# Altium PCB PCB1.PcbDoc (part 3 of 4) (continued)
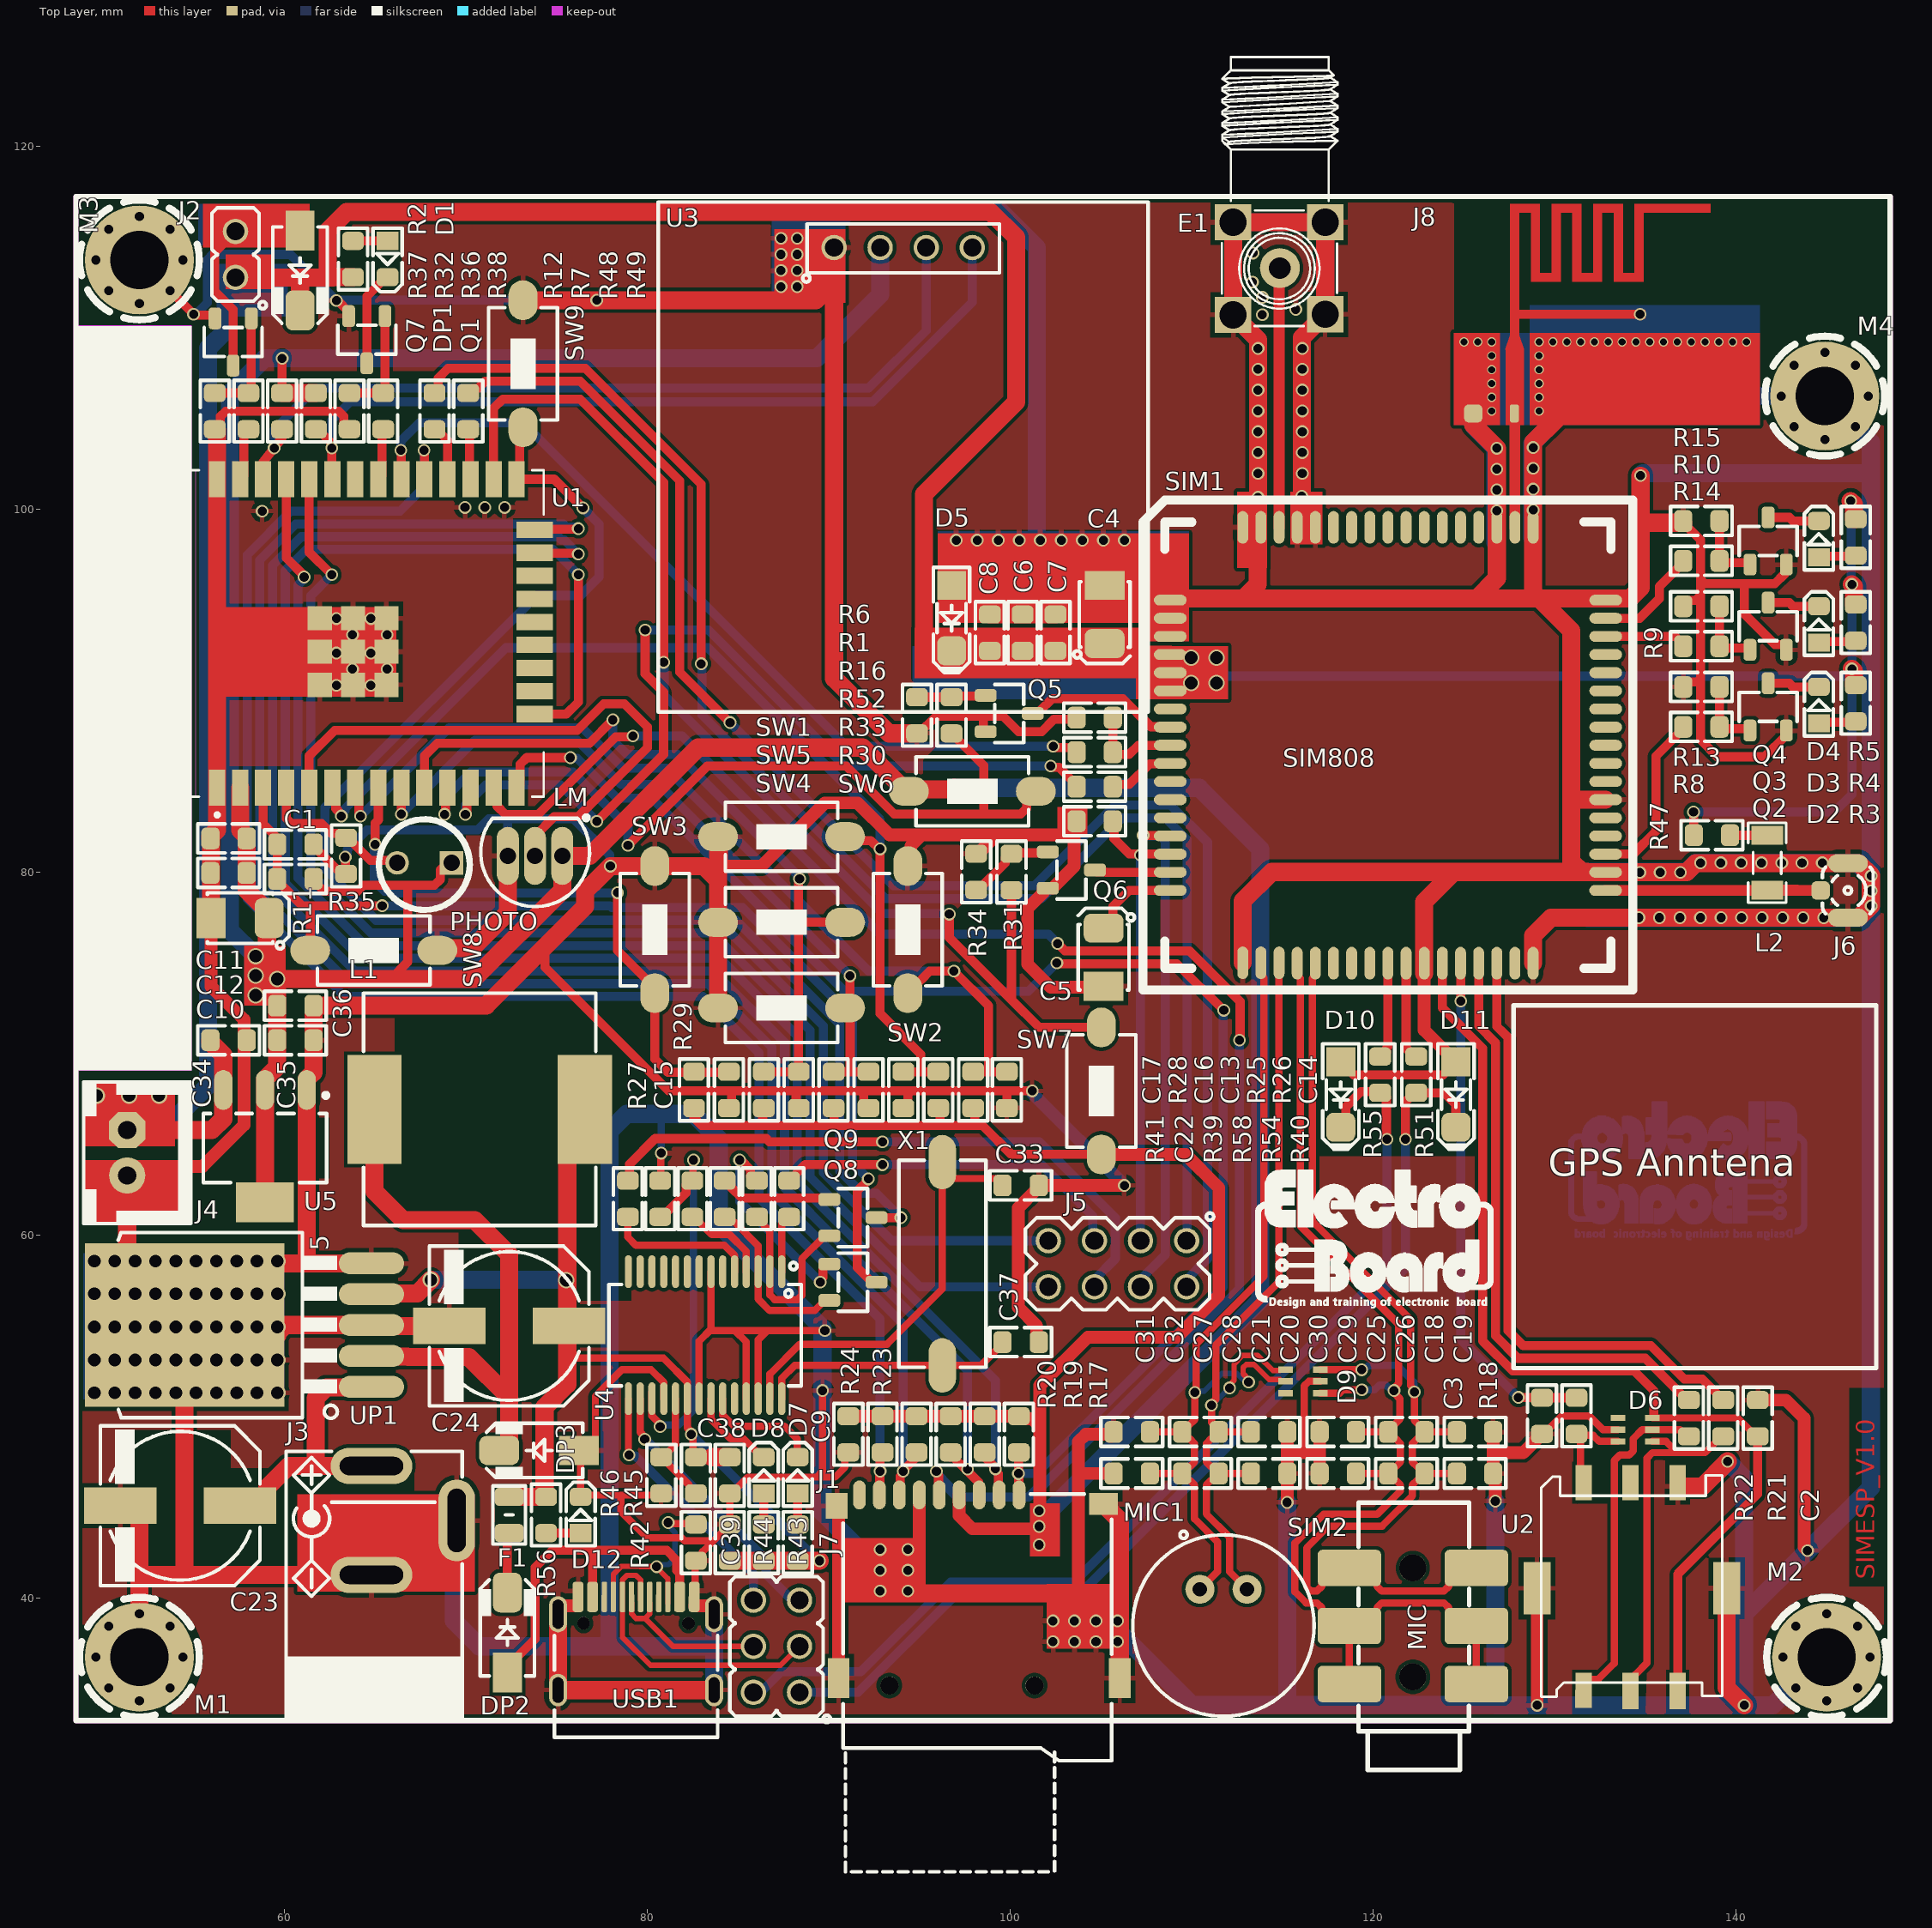
[diagram p0: Top Layer view]
## Nets (pads, with @x,y where several pads share a name; then routed paths per layer and width w, separated by ;. In a path a pad name is that pad's centre, name@x,y a point inside that pad or via, vN(x,y) a via of type N, cw(c..) or ccw(c..) an arc to the next point about the centre after c; other vN are vias at no path point) (continued)
134.925,65.786 ; 133.731,65.811 134.925,65.811 ; 133.731,65.837 134.925,65.837 ; 133.731,65.862 134.899,65.862 ; 133.731,65.888 134.899,65.888 ; 133.731,65.913 134.899,65.913 ; 133.731,65.938 134.899,65.938 ; 133.731,65.964 134.874,65.964 ; 133.731,65.989 134.874,65.989 ; 133.731,66.015 134.849,66.015 ; 133.731,66.04 134.849,66.04 ; 133.731,66.065 134.849,66.065 ; 133.731,66.091 134.823,66.091 ; 133.731,66.116 134.823,66.116 ; 133.731,66.142 134.798,66.142 ; 133.731,66.167 134.772,66.167 ; 133.731,66.192 134.772,66.192 ; 133.731,66.218 134.747,66.218 ; 133.731,66.243 134.722,66.243 ; 133.731,66.269 134.696,66.269 ; 133.731,66.294 134.696,66.294 ; 133.731,66.319 134.671,66.319 ; 133.731,66.345 134.645,66.345 ; 133.731,66.37 134.62,66.37 ; 133.731,66.396 134.569,66.396 ; 133.731,66.421 134.544,66.421 ; 133.731,66.446 134.518,66.446 ; 133.731,66.472 134.468,66.472 ; 133.731,66.497 134.417,66.497 ; 133.731,66.523 134.341,66.523 ; 133.756,61.951 134.62,61.951 ; 133.756,62.814 133.858,62.814 ; 133.782,59.893 133.883,59.893 ; 133.782,59.919 133.883,59.919 ; 133.782,59.944 133.883,59.944 ; 133.782,59.969 133.883,59.969 ; 133.782,59.995 133.883,59.995 ; 133.782,60.02 133.883,60.02 ; 133.782,60.046 133.883,60.046 ; 133.782,60.071 133.883,60.071 ; 133.782,60.096 133.883,60.096 ; 133.782,60.122 133.883,60.122 ; 133.782,60.147 134.061,60.147 ; 133.782,66.548 134.264,66.548 ; 133.807,60.173 134.061,60.173 ; 133.807,61.925 134.62,61.925 ; 133.833,60.198 133.909,60.198 ; 133.833,61.874 134.62,61.874 ; 133.833,61.9 134.62,61.9 ; 133.858,61.798 134.62,61.798 ; 133.858,61.824 134.62,61.824 ; 133.858,61.849 134.62,61.849 ; 133.883,60.681 134.62,60.681 ; 133.883,60.706 134.62,60.706 ; 133.883,60.731 134.62,60.731 ; 133.883,60.757 134.62,60.757 ; 133.883,60.782 134.62,60.782 ; 133.883,60.808 134.62,60.808 ; 133.883,60.833 134.62,60.833 ; 133.883,60.858 134.62,60.858 ; 133.883,60.884 134.62,60.884 ; 133.883,60.909 134.62,60.909 ; 133.883,60.935 134.62,60.935 ; 133.883,60.96 134.62,60.96 ; 133.883,60.985 134.62,60.985 ; 133.883,61.011 134.62,61.011 ; 133.883,61.036 134.62,61.036 ; 133.883,61.062 134.62,61.062 ; 133.883,61.087 134.62,61.087 ; 133.883,61.112 134.62,61.112 ; 133.883,61.138 134.62,61.138 ; 133.883,61.163 134.62,61.163 ; 133.883,61.189 134.62,61.189 ; 133.883,61.214 134.62,61.214 ; 133.883,61.239 134.62,61.239 ; 133.883,61.265 134.62,61.265 ; 133.883,61.29 134.62,61.29 ; 133.883,61.316 134.62,61.316 ; 133.883,61.341 134.62,61.341 ; 133.883,61.366 134.62,61.366 ; 133.883,61.392 134.62,61.392 ; 133.883,61.417 134.62,61.417 ; 133.883,61.443 134.62,61.443 ; 133.883,61.468 134.62,61.468 ; 133.883,61.493 134.62,61.493 ; 133.883,61.519 134.62,61.519 ; 133.883,61.544 134.62,61.544 ; 133.883,61.57 134.62,61.57 ; 133.883,61.595 134.62,61.595 ; 133.883,61.62 134.62,61.62 ; 133.883,61.646 134.62,61.646 ; 133.883,61.671 134.62,61.671 ; 133.883,61.697 134.62,61.697 ; 133.883,61.722 134.62,61.722 ; 133.883,61.747 134.62,61.747 ; 133.883,61.773 134.62,61.773 ; 133.934,60.122 134.061,60.122 ; 133.96,59.893 134.061,59.893 ; 133.96,59.919 134.061,59.919 ; 133.96,59.944 134.061,59.944 ; 133.96,59.969 134.061,59.969 ; 133.96,59.995 134.061,59.995 ; 133.96,60.02 134.061,60.02 ; 133.96,60.046 134.061,60.046 ; 133.96,60.071 134.061,60.071 ; 133.96,60.096 134.061,60.096 ; 133.96,60.198 134.061,60.198 ; 133.96,65.608 134.95,65.608 ; 133.985,66.573 134.061,66.573 ; 134.01,65.583 134.95,65.583 ; 134.036,65.557 134.95,65.557 ; 134.061,65.507 134.95,65.507 ; 134.061,65.532 134.95,65.532 ; 134.087,64.237 134.95,64.237 ; 134.087,64.262 134.95,64.262 ; 134.087,64.287 134.95,64.287 ; 134.087,64.313 134.95,64.313 ; 134.087,64.338 134.95,64.338 ; 134.087,64.364 134.95,64.364 ; 134.087,64.389 134.95,64.389 ; 134.087,64.414 134.95,64.414 ; 134.087,64.44 134.95,64.44 ; 134.087,64.465 134.95,64.465 ; 134.087,64.491 134.95,64.491 ; 134.087,64.516 134.95,64.516 ; 134.087,64.541 134.95,64.541 ; 134.087,64.567 134.95,64.567 ; 134.087,64.592 134.95,64.592 ; 134.087,64.618 134.95,64.618 ; 134.087,64.643 134.95,64.643 ; 134.087,64.668 134.95,64.668 ; 134.087,64.694 134.95,64.694 ; 134.087,64.719 134.95,64.719 ; 134.087,64.745 134.95,64.745 ; 134.087,64.77 134.95,64.77 ; 134.087,64.795 134.95,64.795 ; 134.087,64.821 134.95,64.821 ; 134.087,64.846 134.95,64.846 ; 134.087,64.872 134.95,64.872 ; 134.087,64.897 134.95,64.897 ; 134.087,64.922 134.95,64.922 ; 134.087,64.948 134.95,64.948 ; 134.087,64.973 134.95,64.973 ; 134.087,64.999 134.95,64.999 ; 134.087,65.024 134.95,65.024 ; 134.087,65.049 134.95,65.049 ; 134.087,65.075 134.95,65.075 ; 134.087,65.1 134.95,65.1 ; 134.087,65.126 134.95,65.126 ; 134.087,65.151 134.95,65.151 ; 134.087,65.176 134.95,65.176 ; 134.087,65.202 134.95,65.202 ; 134.087,65.227 134.95,65.227 ; 134.087,65.253 134.95,65.253 ; 134.087,65.278 134.95,65.278 ; 134.087,65.303 134.95,65.303 ; 134.087,65.329 134.95,65.329 ; 134.087,65.354 134.95,65.354 ; 134.087,65.38 134.95,65.38 ; 134.087,65.405 134.95,65.405 ; 134.087,65.43 134.95,65.43 ; 134.087,65.456 134.95,65.456 ; 134.087,65.481 134.95,65.481 ; 134.112,64.211 134.95,64.211 ; 134.137,59.995 134.239,59.995 ; 134.137,60.02 134.239,60.02 ; 134.137,60.046 134.239,60.046 ; 134.137,60.071 134.239,60.071 ; 134.137,60.096 134.264,60.096 ; 134.163,59.944 134.442,59.944 ; 134.163,59.969 134.264,59.969 ; 134.163,60.122 134.264,60.122 ; 134.163,60.147 134.442,60.147 ; 134.188,59.919 134.417,59.919 ; 134.188,60.173 134.417,60.173 ; 134.239,59.893 134.391,59.893 ; 134.239,60.198 134.366,60.198 ; 134.341,59.969 134.442,59.969 ; 134.341,60.122 134.468,60.122 ; 134.366,59.995 134.468,59.995 ; 134.366,60.02 134.468,60.02 ; 134.366,60.046 134.468,60.046 ; 134.366,60.071 134.468,60.071 ; 134.366,60.096 134.468,60.096 ; 134.518,60.147 134.696,60.147 ; 134.518,60.173 134.696,60.173 ; 134.518,60.198 134.569,60.198 ; 134.569,60.096 134.696,60.096 ; 134.569,60.122 134.696,60.122 ; 134.595,59.893 134.696,59.893 ; 134.595,59.919 134.696,59.919 ; 134.595,59.944 134.696,59.944 ; 134.595,59.969 134.696,59.969 ; 134.595,59.995 134.696,59.995 ; 134.595,60.02 134.696,60.02 ; 134.595,60.046 134.696,60.046 ; 134.595,60.071 134.696,60.071 ; 134.595,60.198 134.696,60.198 ; 134.696,60.681 135.433,60.681 ; 134.696,60.706 135.433,60.706 ; 134.696,60.731 135.433,60.731 ; 134.696,60.757 135.433,60.757 ; 134.696,60.782 135.433,60.782 ; 134.696,60.808 135.433,60.808 ; 134.696,60.833 135.433,60.833 ; 134.696,60.858 135.433,60.858 ; 134.696,60.884 135.433,60.884 ; 134.696,60.909 135.433,60.909 ; 134.696,60.935 135.433,60.935 ; 134.696,60.96 135.433,60.96 ; 134.696,60.985 135.433,60.985 ; 134.696,61.011 135.433,61.011 ; 134.696,61.036 135.433,61.036 ; 134.696,61.062 135.433,61.062 ; 134.696,61.087 135.433,61.087 ; 134.696,61.112 135.433,61.112 ; 134.696,61.138 135.433,61.138 ; 134.696,61.163 135.433,61.163 ; 134.696,61.189 135.433,61.189 ; 134.696,61.214 135.433,61.214 ; 134.696,61.239 135.433,61.239 ; 134.696,61.265 135.433,61.265 ; 134.696,61.29 135.433,61.29 ; 134.696,61.316 135.433,61.316 ; 134.696,61.341 135.433,61.341 ; 134.696,61.366 135.433,61.366 ; 134.696,61.392 135.433,61.392 ; 134.696,61.417 135.433,61.417 ; 134.696,61.443 135.433,61.443 ; 134.696,61.468 135.433,61.468 ; 134.696,61.493 135.433,61.493 ; 134.696,61.519 135.433,61.519 ; 134.696,61.544 135.433,61.544 ; 134.696,61.57 135.433,61.57 ; 134.696,61.595 135.433,61.595 ; 134.696,61.62 135.433,61.62 ; 134.696,61.646 135.433,61.646 ; 134.696,61.671 135.433,61.671 ; 134.696,61.697 135.433,61.697 ; 134.696,61.722 135.458,61.722 ; 134.696,61.747 135.458,61.747 ; 134.696,61.773 135.458,61.773 ; 134.696,61.798 135.484,61.798 ; 134.696,61.824 135.484,61.824 ; 134.696,61.849 135.509,61.849 ; 134.696,61.874 135.534,61.874 ; 134.696,61.9 135.56,61.9 ; 134.696,61.925 135.611,61.925 ; 134.696,61.951 136.652,61.951 ; 134.722,61.976 136.652,61.976 ; 134.722,62.001 136.652,62.001 ; 134.722,62.027 136.652,62.027 ; 134.722,62.052 136.627,62.052 ; 134.722,62.078 136.627,62.078 ; 134.722,62.103 136.627,62.103 ; 134.747,62.128 136.601,62.128 ; 134.747,62.154 136.601,62.154 ; 134.772,59.893 134.899,59.893 ; 134.772,59.919 134.925,59.919 ; 134.772,59.944 134.95,59.944 ; 134.772,60.147 135.001,60.147 ; 134.772,60.173 135.001,60.173 ; 134.772,60.198 135.001,60.198 ; 134.772,62.179 136.601,62.179 ; 134.772,62.205 136.576,62.205 ; 134.772,62.23 136.576,62.23 ; 134.798,62.255 136.55,62.255 ; 134.798,62.281 136.55,62.281 ; 134.823,62.306 136.525,62.306 ; 134.823,62.332 136.5,62.332 ; 134.849,59.969 134.95,59.969 ; 134.849,59.995 134.95,59.995 ; 134.849,60.02 134.95,60.02 ; 134.849,60.046 134.95,60.046 ; 134.849,60.071 134.95,60.071 ; 134.849,60.096 134.95,60.096 ; 134.849,60.122 134.95,60.122 ; 134.849,60.223 134.976,60.223 ; 134.849,60.249 134.95,60.249 ; 134.849,60.274 134.95,60.274 ; 134.849,60.3 134.899,60.3 ; 134.849,62.357 136.5,62.357 ; 134.874,62.382 136.474,62.382 ; 134.874,62.408 136.449,62.408 ; 134.899,62.433 136.449,62.433 ; 134.925,62.459 136.423,62.459 ; 134.95,62.484 136.398,62.484 ; 134.95,62.509 136.373,62.509 ; 134.976,62.535 136.347,62.535 ; 135.001,64.186 135.331,64.186 ; 135.001,64.211 135.433,64.211 ; 135.001,64.237 135.509,64.237 ; 135.001,64.262 135.56,64.262 ; 135.001,64.287 135.611,64.287 ; 135.001,64.313 135.661,64.313 ; 135.001,64.338 135.712,64.338 ; 135.001,64.364 135.738,64.364 ; 135.001,64.389 135.763,64.389 ; 135.001,64.414 135.814,64.414 ; 135.001,64.44 135.839,64.44 ; 135.001,64.465 135.865,64.465 ; 135.001,64.491 135.89,64.491 ; 135.001,64.516 135.915,64.516 ; 135.001,64.541 135.941,64.541 ; 135.001,64.567 135.966,64.567 ; 135.001,64.592 135.966,64.592 ; 135.001,64.618 135.992,64.618 ; 135.001,64.643 136.017,64.643 ; 135.001,64.668 136.017,64.668 ; 135.001,64.694 136.042,64.694 ; 135.001,64.719 136.068,64.719 ; 135.001,64.745 136.068,64.745 ; 135.001,64.77 136.093,64.77 ; 135.001,64.795 136.093,64.795 ; 135.001,64.821 136.093,64.821 ; 135.001,64.846 136.119,64.846 ; 135.001,64.872 136.119,64.872 ; 135.001,64.897 136.144,64.897 ; 135.001,64.922 136.144,64.922 ; 135.001,64.948 136.144,64.948 ; 135.001,64.973 136.169,64.973 ; 135.001,64.999 136.169,64.999 ; 135.001,65.024 136.169,65.024 ; 135.001,65.049 136.169,65.049 ; 135.001,65.075 136.169,65.075 ; 135.001,65.1 136.195,65.1 ; 135.026,62.56 136.322,62.56 ; 135.026,65.126 136.195,65.126 ; 135.026,65.557 136.22,65.557 ; 135.026,65.583 137.135,65.583 ; 135.026,65.608 137.16,65.608 ; 135.026,65.634 137.185,65.634 ; 135.026,65.659 137.262,65.659 ; 135.026,65.684 136.22,65.684 ; 135.026,65.71 136.22,65.71 ; 135.026,65.735 136.22,65.735 ; 135.026,65.761 136.22,65.761 ; 135.026,65.786 136.22,65.786 ; 135.026,65.811 136.22,65.811 ; 135.026,65.837 136.22,65.837 ; 135.026,65.862 136.22,65.862 ; 135.026,65.888 136.22,65.888 ; 135.026,65.913 136.22,65.913 ; 135.026,65.938 136.22,65.938 ; 135.026,65.964 136.22,65.964 ; 135.026,65.989 136.22,65.989 ; 135.026,66.015 136.22,66.015 ; 135.026,66.04 136.22,66.04 ; 135.026,66.065 136.22,66.065 ; 135.026,66.091 136.22,66.091 ; 135.026,66.116 136.22,66.116 ; 135.026,66.142 136.22,66.142 ; 135.026,66.167 136.22,66.167 ; 135.026,66.192 136.22,66.192 ; 135.026,66.218 136.22,66.218 ; 135.026,66.243 136.22,66.243 ; 135.026,66.269 136.22,66.269 ; 135.026,66.294 136.22,66.294 ; 135.026,66.319 136.22,66.319 ; 135.026,66.345 136.22,66.345 ; 135.026,66.37 136.22,66.37 ; 135.026,66.396 136.22,66.396 ; 135.026,66.421 136.22,66.421 ; 135.026,66.446 136.22,66.446 ; 135.026,66.472 136.22,66.472 ; 135.052,59.919 135.23,59.919 ; 135.052,59.944 135.255,59.944 ; 135.052,59.969 135.077,59.969 ; 135.052,60.122 135.077,60.122 ; 135.052,60.147 135.255,60.147 ; 135.052,60.173 135.23,60.173 ; 135.052,60.198 135.179,60.198 ; 135.052,62.586 136.271,62.586 ; 135.052,66.497 136.22,66.497 ; 135.077,59.893 135.204,59.893 ; 135.077,62.611 136.246,62.611 ; 135.103,62.636 136.22,62.636 ; 135.153,59.969 135.28,59.969 ; 135.153,60.122 135.255,60.122 ; 135.153,62.662 136.169,62.662 ; 135.179,59.995 135.28,59.995 ; 135.179,60.02 135.28,60.02 ; 135.179,60.046 135.28,60.046 ; 135.179,60.071 135.28,60.071 ; 135.179,60.096 135.28,60.096 ; 135.179,65.151 136.195,65.151 ; 135.204,62.687 136.119,62.687 ; 135.23,65.176 136.195,65.176 ; 135.255,62.713 136.068,62.713 ; 135.255,65.202 136.195,65.202 ; 135.28,65.227 137.084,65.227 ; 135.306,65.253 137.058,65.253 ; 135.306,65.278 137.058,65.278 ; 135.331,62.738 136.017,62.738 ; 135.331,65.303 137.008,65.303 ; 135.331,65.329 136.398,65.329 ; 135.331,65.354 136.22,65.354 ; 135.331,65.38 136.22,65.38 ; 135.357,60.046 135.636,60.046 ; 135.357,60.071 135.636,60.071 ; 135.357,60.096 135.458,60.096 ; 135.357,60.122 135.458,60.122 ; 135.357,65.405 136.22,65.405 ; 135.357,65.43 136.22,65.43 ; 135.357,65.456 136.22,65.456 ; 135.357,65.481 136.22,65.481 ; 135.357,65.507 136.22,65.507 ; 135.357,65.532 136.22,65.532 ; 135.357,66.523 136.22,66.523 ; 135.357,66.548 136.22,66.548 ; 135.357,66.573 136.22,66.573 ; 135.357,66.599 136.22,66.599 ; 135.357,66.624 136.22,66.624 ; 135.357,66.65 136.22,66.65 ; 135.357,66.675 136.22,66.675 ; 135.357,66.7 136.22,66.7 ; 135.357,66.726 136.22,66.726 ; 135.357,66.751 136.22,66.751 ; 135.357,66.777 136.22,66.777 ; 135.357,66.802 136.22,66.802 ; 135.357,66.827 136.22,66.827 ; 135.357,66.853 136.22,66.853 ; 135.357,66.878 136.22,66.878 ; 135.357,66.904 136.22,66.904 ; 135.357,66.929 136.22,66.929 ; 135.357,66.954 136.22,66.954 ; 135.357,66.98 136.22,66.98 ; 135.357,67.005 136.22,67.005 ; 135.357,67.031 136.22,67.031 ; 135.357,67.056 136.22,67.056 ; 135.357,67.081 136.22,67.081 ; 135.357,67.107 136.22,67.107 ; 135.357,67.132 136.22,67.132 ; 135.357,67.158 136.22,67.158 ; 135.357,67.183 136.22,67.183 ; 135.357,67.208 136.22,67.208 ; 135.357,67.234 136.22,67.234 ; 135.357,67.259 136.22,67.259 ; 135.357,67.285 136.22,67.285 ; 135.357,67.31 136.22,67.31 ; 135.357,67.335 136.22,67.335 ; 135.382,59.919 135.585,59.919 ; 135.382,59.944 135.611,59.944 ; 135.382,59.969 135.407,59.969 ; 135.382,60.147 135.611,60.147 ; 135.382,60.173 135.585,60.173 ; 135.382,67.361 136.195,67.361 ; 135.407,59.893 135.56,59.893 ; 135.407,62.763 135.941,62.763 ; 135.433,60.198 135.56,60.198 ; 135.484,60.655 135.966,60.655 ; 135.484,60.681 136.042,60.681 ; 135.484,60.706 136.093,60.706 ; 135.484,60.731 136.144,60.731 ; 135.484,60.757 136.195,60.757 ; 135.484,60.782 136.246,60.782 ; 135.484,60.808 136.271,60.808 ; 135.484,60.833 136.296,60.833 ; 135.484,60.858 136.322,60.858 ; 135.484,60.884 136.347,60.884 ; 135.484,60.909 136.373,60.909 ; 135.484,60.935 136.398,60.935 ; 135.484,60.96 136.423,60.96 ; 135.484,60.985 136.449,60.985 ; 135.484,61.011 136.474,61.011 ; 135.484,61.036 136.5,61.036 ; 135.484,61.062 136.5,61.062 ; 135.484,61.087 136.525,61.087 ; 135.484,61.112 136.55,61.112 ; 135.484,61.138 136.55,61.138 ; 135.484,61.163 136.576,61.163 ; 135.484,61.189 136.576,61.189 ; 135.484,61.214 136.601,61.214 ; 135.484,61.239 136.601,61.239 ; 135.484,61.265 136.601,61.265 ; 135.484,61.29 136.627,61.29 ; 135.484,61.316 136.627,61.316 ; 135.484,61.341 136.627,61.341 ; 135.484,61.366 136.652,61.366 ; 135.484,61.392 136.652,61.392 ; 135.484,61.417 136.652,61.417 ; 135.484,61.443 136.652,61.443 ; 135.484,61.468 135.585,61.468 ; 135.509,59.969 135.636,59.969 ; 135.509,60.122 135.611,60.122 ; 135.534,59.995 135.636,59.995 ; 135.534,60.02 135.636,60.02 ; 135.534,60.096 135.636,60.096 ; 135.534,60.63 135.839,60.63 ; 135.611,62.789 135.763,62.789 ; 135.712,59.893 135.814,59.893 ; 135.712,59.919 135.814,59.919 ; 135.712,59.944 135.814,59.944 ; 135.712,59.969 135.814,59.969 ; 135.712,59.995 135.814,59.995 ; 135.712,60.02 135.814,60.02 ; 135.712,60.046 135.814,60.046 ; 135.712,60.071 135.814,60.071 ; 135.712,60.096 135.814,60.096 ; 135.712,60.122 135.814,60.122 ; 135.712,60.147 135.814,60.147 ; 135.712,60.173 135.814,60.173 ; 135.712,60.198 135.814,60.198 ; 135.712,60.223 135.814,60.223 ; 135.712,60.249 135.814,60.249 ; 135.712,60.274 135.814,60.274 ; 135.712,60.3 135.814,60.3 ; 135.712,60.325 135.814,60.325 ; 135.712,60.35 135.814,60.35 ; 135.763,61.925 136.677,61.925 ; 135.788,61.468 136.677,61.468 ; 135.814,61.9 136.677,61.9 ; 135.839,61.493 136.677,61.493 ; 135.839,61.874 136.677,61.874 ; 135.865,61.519 136.677,61.519 ; 135.865,61.849 136.677,61.849 ; 135.89,60.046 136.169,60.046 ; 135.89,60.071 136.169,60.071 ; 135.89,60.096 135.992,60.096 ; 135.89,60.122 135.992,60.122 ; 135.89,61.544 136.677,61.544 ; 135.89,61.57 136.677,61.57 ; 135.89,61.798 136.677,61.798 ; 135.89,61.824 136.677,61.824 ; 135.915,59.919 136.119,59.919 ; 135.915,59.944 136.144,59.944 ; 135.915,59.969 135.941,59.969 ; 135.915,60.147 136.144,60.147 ; 135.915,60.173 136.119,60.173 ; 135.915,61.595 136.677,61.595 ; 135.915,61.62 136.677,61.62 ; 135.915,61.747 136.677,61.747 ; 135.915,61.773 136.677,61.773 ; 135.941,59.893 136.093,59.893 ; 135.941,61.646 136.677,61.646 ; 135.941,61.671 136.677,61.671 ; 135.941,61.697 136.677,61.697 ; 135.941,61.722 136.677,61.722 ; 135.966,60.198 136.093,60.198 ; 136.042,59.969 136.169,59.969 ; 136.042,60.122 136.144,60.122 ; 136.068,59.995 136.169,59.995 ; 136.068,60.02 136.169,60.02 ; 136.068,60.096 136.169,60.096 ; 136.22,65.075 137.211,65.075 ; 136.22,65.1 137.16,65.1 ; 136.22,65.126 137.135,65.126 ; 136.22,65.151 137.109,65.151 ; 136.22,65.176 137.109,65.176 ; 136.22,65.202 137.084,65.202 ; 136.246,64.973 138.379,64.973 ; 136.246,64.999 138.379,64.999 ; 136.246,65.024 138.405,65.024 ; 136.246,65.049 138.405,65.049 ; 136.246,65.557 137.109,65.557 ; 136.246,65.684 138.405,65.684 ; 136.246,65.71 138.405,65.71 ; 136.246,65.735 138.379,65.735 ; 136.271,64.897 138.354,64.897 ; 136.271,64.922 138.354,64.922 ; 136.271,64.948 138.379,64.948 ; 136.271,65.761 138.379,65.761 ; 136.271,65.786 138.379,65.786 ; 136.271,65.811 138.354,65.811 ; 136.296,64.821 138.328,64.821 ; 136.296,64.846 138.328,64.846 ; 136.296,64.872 138.354,64.872 ; 136.296,65.837 138.354,65.837 ; 136.296,65.862 138.354,65.862 ; 136.296,65.888 138.328,65.888 ; 136.322,64.77 138.303,64.77 ; 136.322,64.795 138.303,64.795 ; 136.322,65.913 138.328,65.913 ; 136.322,65.938 138.303,65.938 ; 136.347,64.719 138.278,64.719 ; 136.347,64.745 138.278,64.745 ; 136.347,65.964 138.303,65.964 ; 136.347,65.989 138.278,65.989 ; 136.373,64.694 138.252,64.694 ; 136.373,66.015 138.278,66.015 ; 136.373,66.04 138.252,66.04 ; 136.398,64.643 138.227,64.643 ; 136.398,64.668 138.252,64.668 ; 136.398,66.065 138.227,66.065 ; 136.423,60.147 136.652,60.147 ; 136.423,60.173 136.652,60.173 ; 136.423,60.198 136.652,60.198 ; 136.423,60.3 136.601,60.3 ; 136.423,60.325 136.576,60.325 ; 136.423,60.35 136.55,60.35 ; 136.423,64.618 138.201,64.618 ; 136.423,66.091 138.227,66.091 ; 136.423,66.116 138.201,66.116 ; 136.449,64.567 138.176,64.567 ; 136.449,64.592 138.201,64.592 ; 136.449,66.142 138.176,66.142 ; 136.474,64.541 138.151,64.541 ; 136.474,66.167 138.151,66.167 ; 136.5,59.893 136.601,59.893 ; 136.5,59.919 136.601,59.919 ; 136.5,59.944 136.601,59.944 ; 136.5,59.969 136.601,59.969 ; 136.5,59.995 136.601,59.995 ; 136.5,60.02 136.601,60.02 ; 136.5,60.046 136.601,60.046 ; 136.5,60.071 136.601,60.071 ; 136.5,60.096 136.601,60.096 ; 136.5,60.122 136.601,60.122 ; 136.5,60.223 136.627,60.223 ; 136.5,60.249 136.601,60.249 ; 136.5,60.274 136.601,60.274 ; 136.5,64.516 138.125,64.516 ; 136.5,66.192 138.151,66.192 ; 136.525,64.491 138.1,64.491 ; 136.525,66.218 138.125,66.218 ; 136.55,64.465 138.074,64.465 ; 136.55,66.243 138.1,66.243 ; 136.576,64.44 138.049,64.44 ; 136.576,66.269 138.074,66.269 ; 136.601,64.414 138.024,64.414 ; 136.601,66.294 138.049,66.294 ; 136.627,64.389 137.998,64.389 ; 136.627,66.319 138.024,66.319 ; 136.652,64.364 137.973,64.364 ; 136.652,66.345 137.973,66.345 ; 136.677,59.995 136.779,59.995 ; 136.677,60.02 136.779,60.02 ; 136.677,60.046 136.779,60.046 ; 136.677,60.071 136.779,60.071 ; 136.677,60.096 136.779,60.096 ; 136.677,64.338 137.947,64.338 ; 136.677,66.37 137.947,66.37 ; 136.703,59.944 136.982,59.944 ; 136.703,59.969 136.804,59.969 ; 136.703,60.122 136.804,60.122 ; 136.703,60.147 136.982,60.147 ; 136.703,61.493 137.566,61.493 ; 136.703,61.519 137.541,61.519 ; 136.703,61.544 137.516,61.544 ; 136.703,61.57 137.49,61.57 ; 136.703,61.595 137.465,61.595 ; 136.703,61.62 137.465,61.62 ; 136.703,61.646 137.465,61.646 ; 136.703,61.671 137.439,61.671 ; 136.703,61.697 137.439,61.697 ; 136.703,61.722 137.439,61.722 ; 136.703,61.747 137.439,61.747 ; 136.703,61.773 137.465,61.773 ; 136.703,61.798 137.465,61.798 ; 136.703,61.824 137.465,61.824 ; 136.703,61.849 137.49,61.849 ; 136.703,61.874 137.49,61.874 ; 136.703,61.9 137.516,61.9 ; 136.703,61.925 137.541,61.925 ; 136.703,61.951 137.566,61.951 ; 136.703,65.532 137.084,65.532 ; 136.728,59.919 136.957,59.919 ; 136.728,60.173 136.957,60.173 ; 136.728,61.366 138.633,61.366 ; 136.728,61.392 138.659,61.392 ; 136.728,61.417 138.659,61.417 ; 136.728,61.443 138.659,61.443 ; 136.728,61.468 137.592,61.468 ; 136.728,61.976 137.617,61.976 ; 136.728,62.001 138.659,62.001 ; 136.728,62.027 138.659,62.027 ; 136.728,62.052 138.659,62.052 ; 136.728,64.313 137.897,64.313 ; 136.728,66.396 137.922,66.396 ; 136.754,61.29 138.608,61.29 ; 136.754,61.316 138.633,61.316 ; 136.754,61.341 138.633,61.341 ; 136.754,62.078 138.633,62.078 ; 136.754,62.103 138.633,62.103 ; 136.754,62.128 138.633,62.128 ; 136.754,64.287 137.871,64.287 ; 136.754,66.421 137.871,66.421 ; 136.779,59.893 136.906,59.893 ; 136.779,60.198 136.906,60.198 ; 136.779,61.239 138.608,61.239 ; 136.779,61.265 138.608,61.265 ; 136.779,62.154 138.608,62.154 ; 136.779,62.179 138.608,62.179 ; 136.779,62.205 138.608,62.205 ; 136.804,61.189 138.582,61.189 ; 136.804,61.214 138.582,61.214 ; 136.804,62.23 138.582,62.23 ; 136.804,62.255 138.582,62.255 ; 136.804,64.262 137.82,64.262 ; 136.804,66.446 137.82,66.446 ; 136.83,61.138 138.557,61.138 ; 136.83,61.163 138.557,61.163 ; 136.83,62.281 138.557,62.281 ; 136.83,62.306 138.557,62.306 ; 136.855,61.087 138.506,61.087 ; 136.855,61.112 138.532,61.112 ; 136.855,62.332 138.532,62.332 ; 136.855,64.237 137.77,64.237 ; 136.855,66.472 137.795,66.472 ; 136.881,59.969 136.982,59.969 ; 136.881,60.122 136.982,60.122 ; 136.881,61.062 138.506,61.062 ; 136.881,62.357 138.506,62.357 ; 136.881,62.382 138.506,62.382 ; 136.906,59.995 137.008,59.995 ; 136.906,60.02 137.008,60.02 ; 136.906,60.046 137.008,60.046 ; 136.906,60.071 137.008,60.071 ; 136.906,60.096 137.008,60.096 ; 136.906,61.036 138.481,61.036 ; 136.906,62.408 138.481,62.408 ; 136.906,64.211 137.719,64.211 ; 136.906,66.497 137.719,66.497 ; 136.931,60.985 138.455,60.985 ; 136.931,61.011 138.455,61.011 ; 136.931,62.433 138.455,62.433 ; 136.957,60.96 138.43,60.96 ; 136.957,62.459 138.43,62.459 ; 136.957,62.484 138.43,62.484 ; 136.982,60.935 138.405,60.935 ; 136.982,62.509 138.405,62.509 ; 136.982,64.186 137.643,64.186 ; 136.982,66.523 137.668,66.523 ; 137.008,60.909 138.379,60.909 ; 137.008,62.535 138.379,62.535 ; 137.033,60.884 138.354,60.884 ; 137.033,62.56 138.354,62.56 ; 137.058,60.858 138.328,60.858 ; 137.058,62.586 138.303,62.586 ; 137.058,66.548 137.566,66.548 ; 137.084,60.833 138.303,60.833 ; 137.084,64.16 137.516,64.16 ; 137.109,60.808 138.252,60.808 ; 137.109,62.611 138.278,62.611 ; 137.135,62.636 138.252,62.636 ; 137.16,60.782 138.227,60.782 ; 137.16,62.662 138.227,62.662 ; 137.185,60.757 138.201,60.757 ; 137.211,62.687 138.176,62.687 ; 137.236,60.731 138.151,60.731 ; 137.236,62.713 138.125,62.713 ; 137.262,59.842 137.389,59.842 ; 137.262,59.868 137.363,59.868 ; 137.262,59.893 137.363,59.893 ; 137.262,59.919 137.541,59.919 ; 137.262,59.944 137.541,59.944 ; 137.262,59.969 137.389,59.969 ; 137.262,59.995 137.363,59.995 ; 137.262,60.02 137.363,60.02 ; 137.262,60.046 137.363,60.046 ; 137.262,60.071 137.363,60.071 ; 137.262,60.096 137.363,60.096 ; 137.262,60.122 137.389,60.122 ; 137.262,60.147 137.541,60.147 ; 137.262,60.173 137.516,60.173 ; 137.262,60.198 137.363,60.198 ; 137.262,66.573 137.363,66.573 ; 137.287,59.792 137.541,59.792 ; 137.287,59.817 137.414,59.817 ; 137.287,60.706 138.125,60.706 ; 137.287,62.738 138.074,62.738 ; 137.312,59.766 137.541,59.766 ; 137.312,62.763 137.338,62.763 ; 137.338,60.681 138.049,60.681 ; 137.363,59.741 137.541,59.741 ; 137.363,62.763 137.998,62.763 ; 137.363,65.659 138.405,65.659 ; 137.389,60.198 137.49,60.198 ; 137.414,59.893 137.49,59.893 ; 137.414,60.655 137.973,60.655 ; 137.414,65.075 138.405,65.075 ; 137.439,59.969 137.566,59.969 ; 137.439,60.122 137.541,60.122 ; 137.439,62.789 137.922,62.789 ; 137.439,65.1 138.405,65.1 ; 137.439,65.634 138.405,65.634 ; 137.465,59.995 137.566,59.995 ; 137.465,60.02 137.566,60.02 ; 137.465,60.046 137.566,60.046 ; 137.465,60.071 137.566,60.071 ; 137.465,60.096 137.566,60.096 ; 137.465,65.126 138.405,65.126 ; 137.465,65.608 138.405,65.608 ; 137.49,65.151 138.43,65.151 ; 137.49,65.583 138.43,65.583 ; 137.516,59.817 137.541,59.817 ; 137.516,60.63 137.871,60.63 ; 137.516,65.176 138.43,65.176 ; 137.516,65.557 138.43,65.557 ; 137.541,65.202 138.43,65.202 ; 137.541,65.227 138.43,65.227 ; 137.541,65.507 138.43,65.507 ; 137.541,65.532 138.43,65.532 ; 137.566,65.253 138.43,65.253 ; 137.566,65.278 138.43,65.278 ; 137.566,65.303 138.43,65.303 ; 137.566,65.329 138.43,65.329 ; 137.566,65.354 138.43,65.354 ; 137.566,65.38 138.43,65.38 ; 137.566,65.405 138.43,65.405 ; 137.566,65.43 138.43,65.43 ; 137.566,65.456 138.43,65.456 ; 137.566,65.481 138.43,65.481 ; 137.617,62.814 137.744,62.814 ; 137.643,59.893 137.744,59.893 ; 137.643,59.919 137.744,59.919 ; 137.643,59.944 137.744,59.944 ; 137.643,59.969 137.744,59.969 ; 137.643,59.995 137.744,59.995 ; 137.643,60.02 137.744,60.02 ; 137.643,60.046 137.744,60.046 ; 137.643,60.071 137.744,60.071 ; 137.643,60.096 137.744,60.096 ; 137.643,60.122 137.744,60.122 ; 137.643,60.147 137.922,60.147 ; 137.668,60.173 137.795,60.173 ; 137.693,60.198 137.77,60.198 ; 137.77,61.976 138.659,61.976 ; 137.795,60.122 137.922,60.122 ; 137.795,61.468 138.659,61.468 ; 137.82,59.893 137.922,59.893 ; 137.82,59.919 137.922,59.919 ; 137.82,59.944 137.922,59.944 ; 137.82,59.969 137.922,59.969 ; 137.82,59.995 137.922,59.995 ; 137.82,60.02 137.922,60.02 ; 137.82,60.046 137.922,60.046 ; 137.82,60.071 137.922,60.071 ; 137.82,60.096 137.922,60.096 ; 137.82,60.173 137.922,60.173 ; 137.82,60.198 137.922,60.198 ; 137.82,61.493 138.684,61.493 ; 137.82,61.951 138.684,61.951 ; 137.846,61.519 138.684,61.519 ; 137.846,61.925 138.684,61.925 ; 137.871,61.544 138.684,61.544 ; 137.871,61.9 138.684,61.9 ; 137.897,61.57 138.684,61.57 ; 137.897,61.849 138.684,61.849 ; 137.897,61.874 138.684,61.874 ; 137.922,61.595 138.684,61.595 ; 137.922,61.62 138.684,61.62 ; 137.922,61.646 138.684,61.646 ; 137.922,61.671 138.684,61.671 ; 137.922,61.773 138.684,61.773 ; 137.922,61.798 138.684,61.798 ; 137.922,61.824 138.684,61.824 ; 137.947,61.697 138.684,61.697 ; 137.947,61.722 138.684,61.722 ; 137.947,61.747 138.684,61.747 ; 138.024,59.893 138.125,59.893 ; 138.024,59.919 138.125,59.919 ; 138.024,59.944 138.125,59.944 ; 138.024,59.969 138.125,59.969 ; 138.024,59.995 138.125,59.995 ; 138.024,60.02 138.125,60.02 ; 138.024,60.046 138.125,60.046 ; 138.024,60.071 138.125,60.071 ; 138.024,60.096 138.125,60.096 ; 138.024,60.122 138.125,60.122 ; 138.024,60.147 138.125,60.147 ; 138.024,60.173 138.125,60.173 ; 138.024,60.198 138.125,60.198 ; 138.024,60.3 138.125,60.3 ; 138.024,60.325 138.125,60.325 ; 138.049,60.274 138.1,60.274 ; 138.049,60.35 138.1,60.35 ; 138.227,59.893 138.328,59.893 ; 138.227,59.919 138.328,59.919 ; 138.227,59.944 138.328,59.944 ; 138.227,59.969 138.328,59.969 ; 138.227,59.995 138.328,59.995 ; 138.227,60.02 138.328,60.02 ; 138.227,60.046 138.328,60.046 ; 138.227,60.071 138.328,60.071 ; 138.227,60.096 138.328,60.096 ; 138.227,60.122 138.328,60.122 ; 138.227,60.147 138.506,60.147 ; 138.252,60.173 138.506,60.173 ; 138.278,60.198 138.354,60.198 ; 138.379,60.122 138.506,60.122 ; 138.405,59.893 138.506,59.893 ; 138.405,59.919 138.506,59.919 ; 138.405,59.944 138.506,59.944 ; 138.405,59.969 138.506,59.969 ; 138.405,59.995 138.506,59.995 ; 138.405,60.02 138.506,60.02 ; 138.405,60.046 138.506,60.046 ; 138.405,60.071 138.506,60.071 ; 138.405,60.096 138.506,60.096 ; 138.405,60.198 138.506,60.198 ; 138.455,65.202 139.725,65.202